# Altium PCB 2m_DBoard_RX.PcbDoc (part 2 of 3) (continued)
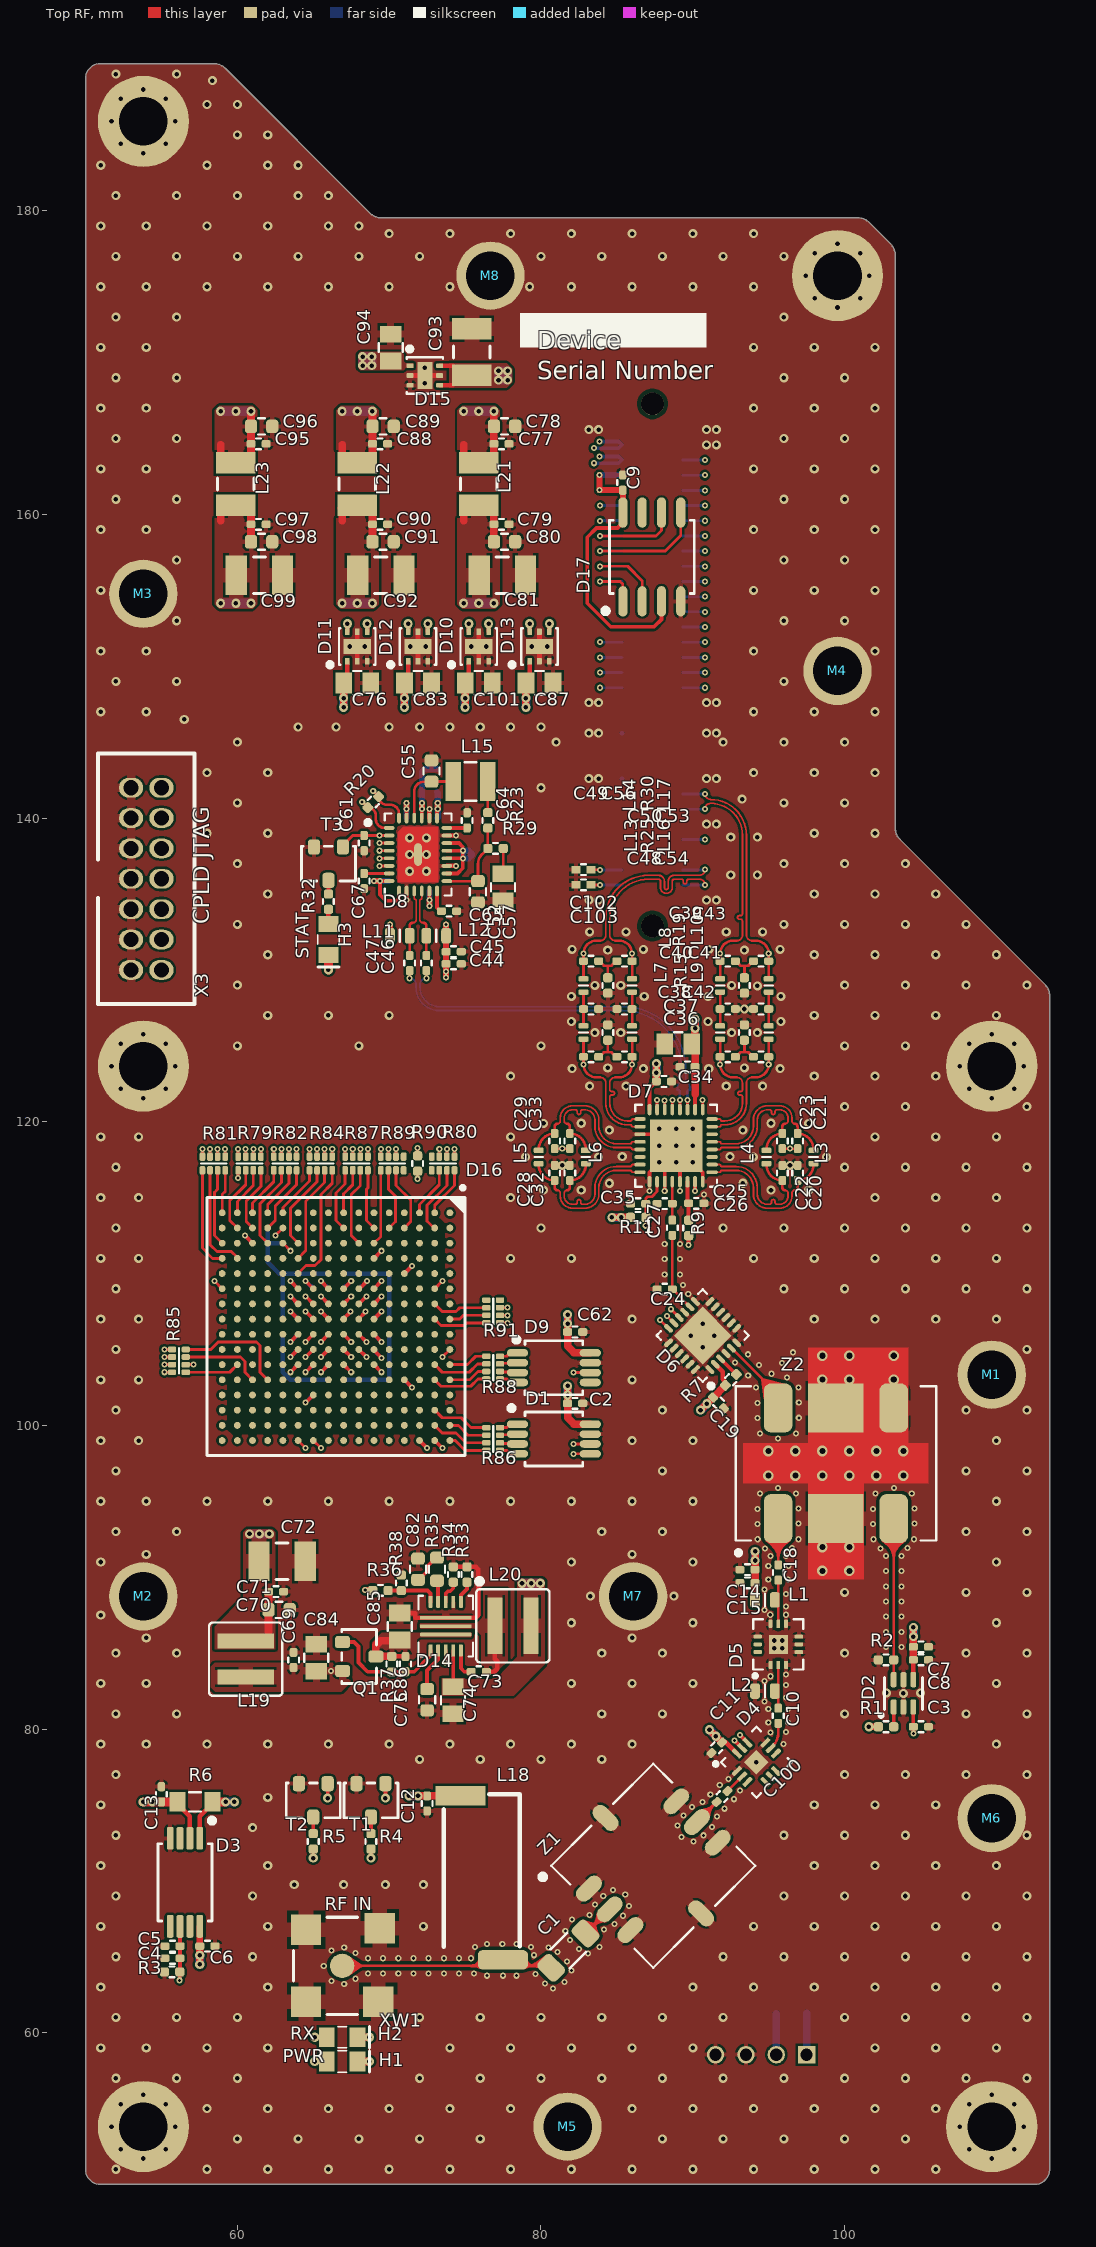
[diagram p0: Top RF view]
## Nets (pads, with @x,y where several pads share a name; then routed paths per layer and width w, separated by ;. In a path a pad name is that pad's centre, name@x,y a point inside that pad or via, vN(x,y) a via of type N, cw(c..) or ccw(c..) an arc to the next point about the centre after c; other vN are vias at no path point) (continued)
  Top RF w0.17: L4.1@94.85,117.24 94.85,117.175 ccw(c95.9,117.175) 95.743,116.137 C22.2@95.9,116.125 95.9,115.675 ccw(c96.1,115.675) 96.1,115.475
_mq_demod_p: C20.1 D7.9 L3.1 | length 10.3
  Top RF w0.115: D7.9@91.275,116.675 91.775,116.675 ccw(c91.775,116.735) 91.835,116.735 cw(c91.895,116.735) 91.895,116.795 92.84,116.795 cw(c92.84,115.645) 93.99,115.645 93.99,115.223 ccw(c94.908,115.223) 94.908,114.305 95.737,114.305 ccw(c95.737,115.098) 96.53,115.098 96.53,115.305 cw(c96.7,115.305) 96.7,115.475
  Top RF w0.17: 96.7,115.475 ccw(c96.7,115.675) 96.9,115.675 C20.1@96.9,116.125 97.058,116.137 ccw(c96.9,117.175) 97.95,117.175 L3.1@97.95,117.24
_TPS_DISDRV: C86.2 D14.9 Q1.1 R37.1 | length 8
  Top RF w0.25: Q1.1@66.925,85.725 67.675,85.725 67.975,85.425 67.975,84.375 68.583,83.767 R37.1@70.175,83.767 ; R37.1@70.183,83.775 71.65,83.775 72.725,84.85 D14.9@72.725,85.175
_TPS_FB: D14.5 R36.1 R38.2 | length 3.4
  Top RF w0.25: R36.1@69.933,89.125 70.8,89.125 R38.2@70.8,89.117 72.533,89.117 72.725,88.925 D14.5@72.725,88.375
_TPS_VOUT: C85.2 C86.1 D14.8 Q1.3 R37.2 | length 4.4
  Top RF w0.3: Q1.3@69.125,84.775 Q1.3@69.129,84.779 ; R37.2@70.171,84.779 R37.2@70.175,84.783 70.179,84.779 71.071,84.779 C86.1@71.075,84.775
  Top RF w0.5: Q1.3@69.125,84.775 69.125,85.5 69.45,85.825 70.664,85.825 C85.2@70.7,85.861 ; Q1.3@69.129,84.779 R37.2@70.171,84.779
ATT1_RX_C1: D4.11 D16.C16 | length 34
  Top RF w0.25: D16.C16@72,99 v2(72.5,98.5) ; v2(92.754,79.248) D4.11@93.254,78.748
  Signal 1 w0.15: v2@72.501,98.499 72.875,98.125 81.218,98.125 92.858,86.485 92.858,79.881 92.733,79.756 92.733,79.269 v2(92.754,79.248)
ATT1_RX_C2: D4.10 D16.B16 | length 32.9
  Top RF w0.25: D16.B16@73,99 v2(73.5,98.5) ; v2(93.108,79.601) D4.10@93.608,79.101
  Signal 1 w0.15: v2(73.5,98.5) 81.196,98.5 93.108,86.589 v2(93.108,79.601)
ATT2_MOSI_RX: D6.18 R91.5 | length 12.2
  Top RF w0.185: R91.5@77.3,106.75 v2(77.8,106.75) ; v2(87.85,106.95) 88.403,106.396 D6.18@88.403,106.394
  Signal 1 w0.12: v2(77.8,106.75) 78.25,106.75 79.4,107.9 86.9,107.9 v2(87.85,106.95)
ATT2_RX_LE: D6.16 R91.7 | length 12.7
  Top RF w0.185: R91.7@77.3,107.75 v2(77.8,107.75) ; v2(88.55,107.65) 88.555,107.65 89.104,107.101 D6.16@89.11,107.101
  Signal 1 w0.12: v2(77.8,107.75) 78.25,107.75 79,108.5 87.624,108.5 88.474,107.65 v2(88.55,107.65)
ATT2_SCLK_RX: D6.17 R91.6 | length 12.4
  Top RF w0.185: R91.6@77.3,107.25 v2(77.8,107.25) ; v2@88.302,107.2 D6.17@88.756,106.748 D6.17@88.756,106.748
  Signal 1 w0.12: v2(77.8,107.25) 78.25,107.25 79.18,108.18 87.32,108.18 88.262,107.238 v2(88.3,107.2)
cpld_io_00: R90.2 X1.100 | length 41.4
  Top RF w0.185: R90.2@71.875,117.758 v2(71.875,118.258)
  Signal 1 w0.12: v2(71.875,118.258) 71.875,118.584 80.75,127.459 80.75,134.25 83.7,137.2 85.8,137.2 90.2,141.6 90.2,147.984 v2(90.8,148.584)
  Bottom Layer w0.185: X1.100@89.338,148.584 v2(90.8,148.584)
cpld_io_01: R89.6 X1.98 | length 43.7
  Top RF w0.185: R89.6@70.45,117.7 v2(70.45,118.2)
  Signal 1 w0.12: v2(70.45,118.2) 70.474,118.224 70.474,118.692 70.951,119.169 72.078,119.169 80.48,127.571 80.48,134.38 83.6,137.5 85.7,137.5 89.9,141.7 89.9,148.684 v2(90.8,149.584)
  Bottom Layer w0.185: X1.98@89.338,149.584 v2(90.8,149.584)
cpld_io_02: R89.7 X1.96 | length 44.9
  Top RF w0.185: R89.7@69.95,117.7 v2(69.95,118.2)
  Signal 1 w0.12: v2(69.95,118.2) 69.95,118.55 70.839,119.439 71.966,119.439 80.21,127.682 80.21,134.51 83.5,137.8 85.6,137.8 89.6,141.8 89.6,149.384 v2(90.8,150.584)
  Bottom Layer w0.185: X1.96@89.338,150.584 v2(90.8,150.584)
cpld_io_03: R89.8 X1.94 | length 46.1
  Top RF w0.185: R89.8@69.45,117.7 v2(69.45,118.2)
  Signal 1 w0.12: v2(69.45,118.2) 69.474,118.224 69.474,118.474 70.709,119.709 71.855,119.709 79.94,127.794 79.94,134.64 83.4,138.1 85.5,138.1 89.3,141.9 89.3,150.084 v2(90.8,151.584)
  Bottom Layer w0.185: X1.94@89.338,151.584 v2(90.8,151.584)
cpld_io_04: R87.5 X1.92 | length 47.9
  Top RF w0.185: R87.5@68.6,117.7 v2(68.6,118.2)
  Signal 1 w0.12: v2(68.6,118.2) 68.6,118.8 69.779,119.979 71.743,119.979 79.67,127.906 79.67,134.77 83.3,138.4 85.4,138.4 89,142 89,150.784 v2(90.8,152.584)
  Bottom Layer w0.185: X1.92@89.338,152.584 v2(90.8,152.584)
cpld_io_05: R87.6 X1.90 | length 49.1
  Top RF w0.185: R87.6@68.1,117.7 v2(68.1,118.2)
  Signal 1 w0.12: v2(68.1,118.2) 68.1,118.7 69.649,120.249 71.631,120.249 79.4,128.018 79.4,134.9 83.2,138.7 85.3,138.7 88.7,142.1 88.7,151.484 v2(90.8,153.584)
  Bottom Layer w0.185: X1.90@89.338,153.584 v2(90.8,153.584)
cpld_io_06: R87.7 X1.88 | length 50.4
  Top RF w0.185: R87.7@67.6,117.7 v2(67.6,118.2)
  Signal 1 w0.12: v2(67.6,118.2) 67.654,118.254 67.654,118.654 69.519,120.519 71.519,120.519 79.13,128.13 79.13,135.03 83.1,139 85.2,139 88.4,142.2 88.4,152.184 v2(90.8,154.584)
  Bottom Layer w0.185: X1.88@89.338,154.584 v2(90.8,154.584)
cpld_io_07: R87.8 X1.86 | length 51.5
  Top RF w0.185: R87.8@67.1,117.7 v2(67.1,118.2)
  Signal 1 w0.12: v2(67.1,118.2) 67.1,118.5 69.389,120.789 71.407,120.789 78.86,128.242 78.86,135.16 83,139.3 85,139.3 88.1,142.4 88.1,152.884 v2(90.8,155.584)
  Bottom Layer w0.185: X1.86@89.338,155.584 v2(90.8,155.584)
cpld_io_08: R84.5 X1.84 | length 53.3
  Top RF w0.185: R84.5@66.25,117.7 v2(66.25,118.2)
  Signal 1 w0.12: v2(66.25,118.2) 66.261,118.211 66.261,118.861 68.459,121.059 71.295,121.059 78.59,128.353 78.59,135.29 82.9,139.6 84.9,139.6 87.8,142.5 87.8,153.584 v2(90.8,156.584)
  Bottom Layer w0.185: X1.84@89.338,156.584 v2(90.8,156.584)
cpld_io_09: R84.6 X1.82 | length 54.6
  Top RF w0.185: R84.6@65.75,117.7 v2(65.75,118.2)
  Signal 1 w0.12: v2(65.75,118.2) 65.786,118.236 65.786,118.786 68.329,121.329 71.184,121.329 78.32,128.465 78.32,135.42 82.8,139.9 84.8,139.9 87.5,142.6 87.5,154.284 v2(90.8,157.584)
  Bottom Layer w0.185: X1.82@89.338,157.584 v2(90.8,157.584)
cpld_io_10: R84.7 X1.80 | length 55.8
  Top RF w0.185: R84.7@65.25,117.7 v2(65.25,118.2)
  Signal 1 w0.12: v2(65.25,118.2) 65.304,118.254 65.304,118.704 68.199,121.599 71.072,121.599 78.05,128.577 78.05,135.55 82.7,140.2 84.7,140.2 87.2,142.7 87.2,154.984 v2(90.8,158.584)
  Bottom Layer w0.185: X1.80@89.338,158.584 v2(90.8,158.584)
cpld_io_11: R84.8 X1.78 | length 57
  Top RF w0.185: R84.8@64.75,117.7 v2(64.75,118.2)
  Signal 1 w0.12: v2(64.75,118.2) 64.774,118.224 64.774,118.574 68.069,121.869 70.96,121.869 77.78,128.689 77.78,135.68 82.6,140.5 84.6,140.5 86.9,142.8 86.9,155.684 v2(90.8,159.584)
  Bottom Layer w0.185: X1.78@89.338,159.584 v2(90.8,159.584)
cpld_io_12: R82.5 X1.76 | length 58.8
  Top RF w0.185: R82.5@63.9,117.7 v2(63.9,118.2)
  Signal 1 w0.12: v2(63.9,118.2) 63.9,118.9 67.139,122.139 70.848,122.139 77.51,128.801 77.51,135.81 82.5,140.8 84.5,140.8 86.6,142.9 86.6,156.384 v2(90.8,160.584)
  Bottom Layer w0.185: X1.76@89.338,160.584 v2(90.8,160.584)
cpld_io_13: R82.6 X1.74 | length 60.1
  Top RF w0.185: R82.6@63.4,117.7 v2(63.4,118.2)
  Signal 1 w0.12: v2(63.4,118.2) 63.4,118.8 67.009,122.409 70.736,122.409 77.24,128.913 77.24,135.94 82.4,141.1 84.4,141.1 86.3,143 86.3,157.084 v2(90.8,161.584)
  Bottom Layer w0.185: X1.74@89.338,161.584 v2(90.8,161.584)
cpld_io_14: R82.7 X1.72 | length 61.2
  Top RF w0.185: R82.7@62.9,117.7 v2(62.9,118.2)
  Signal 1 w0.12: v2(62.9,118.2) 62.9,118.7 66.879,122.679 70.624,122.679 76.97,129.024 76.97,136.07 82.3,141.4 84.2,141.4 86,143.2 86,157.784 v2(90.8,162.584)
  Bottom Layer w0.185: X1.72@89.338,162.584 v2(90.8,162.584)
cpld_io_15: R82.8 X1.70 | length 62.4
  Top RF w0.185: R82.8@62.4,117.7 v2(62.4,118.2)
  Signal 1 w0.12: v2(62.4,118.2) 62.4,118.6 66.749,122.949 70.513,122.949 76.7,129.136 76.7,136.182 82.188,141.67 84.088,141.67 85.73,143.312 85.73,158.514 v2(90.8,163.584)
  Bottom Layer w0.185: X1.70@89.338,163.584 v2(90.8,163.584)
CS_LTC6948: D8.3 R81.8 | length 26.7
  Top RF w0.185: R81.8@57.7,117.7 v2(57.7,118.2) ; v2(69.35,138.35) D8.3@70,138.35
  Signal 1 w0.12: v2(57.7,118.2) 57.7,118.918 64.17,125.388 64.17,134.07 68.45,138.35 v2(69.35,138.35)
DEMOD_TEMP: C35.1 C103.2 D7.2 D9.6 R11.2 X1.125 | length 52.9
  Top RF w0.185: v2(82.15,103.475) D9.6@83.25,103.475 ; C103.2@83.308,135.592 v2@83.868,135.592 ; v2(86.9,113.15) 86.9,113.692 R11.2@86.908,113.7 86.9,113.708 C35.1@86.9,114.6 86.9,114.95 87.007,115.058 87.313,115.058 87.65,115.395 D7.2@87.65,116.05
  Top RF w0.2: C103.2@83.3,135.6 C103.2@83.308,135.592 ; v2@83.868,135.592 v2(83.876,135.584)
  Signal 1 w0.12: v2@83.848,135.556 v2(83.876,135.584)
  Signal 1 w0.15: v2(82.15,103.475) 85.251,103.475 89,107.224 89,107.9 86.9,110 v2(86.9,113.15) 87.875,114.125 90.45,114.125 91.2,114.875 91.2,121.547 88.65,124.097 88.65,134.85 87.9,135.6 v2@83.892,135.6
  Signal 1 w0.185: v2(83.876,135.584) v2@83.892,135.6
  Bottom Layer w0.185: v2(83.876,135.584) X1.125@85.338,135.584
DEMOD_VCM: R9.1 X1.120 | length 31.1
  Top RF w0.25: v2(89.725,111.892) R9.1@89.725,112.492
  Signal 1 w0.12: v2(89.725,111.892) 91.825,113.992 91.825,121.88 89.59,124.115 89.59,137.374 v2(90.8,138.584)
  Bottom Layer w0.185: X1.120@89.338,138.584 v2(90.8,138.584)
GND: C2.2 C3.1 C4.1 C5.1 C6.1 C7.1 C8.1 C9.1 C11.1 C12.2 C13.2 C14.1 C15.1 C16.1 C17.1 C19.1 C20.2 C22.1 C24.2 C25.2 C26.2 C28.2 C30.2 C31.2 C32.1 C34.2 C35.2 C36.2 C37.1 C40.2 C41.1 C44.1 C45.1 C50.2 C51.1 C52.1 C53.1 C55.1 C57.1 C58.1 C59.1 C60.1 C61.2 C62.2 C63.2 C64.1 C65.2 C66.1 C67.1 C68.1 C69.1 C70.1 C71.1 C72.1 C74.2 C75.2 C76.2 C77.1 C78.1 C79.1 C80.1 C81.1 C82.1 C83.2 C84.1 C85.1 C87.2 C88.1 C89.1 C90.1 C91.1 C92.1 C93.1 C94.2 C95.1 C96.1 C97.1 C98.1 C99.1 C101.2 C102.1 C103.1 C200.1 C201.1 C202.1 C203.1 C204.1 C205.1 C206.1 C207.1 C208.1 C209.1 C210.1 C211.1 C212.1 C213.1 C214.1 C215.2 C216.2 C217.2 C218.2 C219.2 D1.7 D2.2 D2.5 D3.4 D4.1 D4.9 D4.13 D5.1 D5.3 D5.4 D5.5 D5.6 D5.7 D5.9 D5.10 D5.13 D6.1 D6.4 D6.6 D6.7 D6.8 D6.9 D6.10 D6.11 D6.12 D6.13 D6.15 D6.19 D6.20 D6.21 D6.22 D6.23 D6.24 D6.25 D7.1 D7.3 D7.5 D7.8 D7.27 D7.33 D8.10 D8.17 D8.21 D8.24 D8.29 D9.7 D10.0 D10.2 D10.3 D10.5 D11.0 D11.2 D11.3 D11.5 D12.0 D12.2 D12.3 D12.5 D13.0 D13.2 D13.3 D13.5 D14.2 D14.6 D15.0 D15.2 D15.3 D15.5 D16.F6 D16.F11 D16.G7 D16.G8 D16.G9 D16.G10 D16.H7 D16.H8 D16.H9 D16.H10 D16.J7 D16.J8 D16.J9 D16.J10 D16.K7 D16.K8 D16.K9 D16.K10 D16.L6 D16.L11 D17.4 L2.1 M1.0 M2.0 M3.0 M4.0 M5.0 M6.0 M7.0 M8.0 R2.2 R3.1 R8.2 R10.2 R14.1 R15.2 R17.2 R19.2 R24.1 R25.2 R27.2 R30.2 R33.1 R34.1 R38.1 T1.2 T2.2 T3.2 X1.0@53.81,53.81 X1.0@53.81,123.66 X1.0@53.81,185.89 X1.0@99.53,175.73 X1.0@109.69,53.81 X1.0@109.69,123.66 X1.65 X1.66 X1.68 X1.101 X1.102 X1.105 X1.106 X1.111 X1.112 X1.118 X1.122 X1.127 X1.128 X2.3 X2.4 X3.1 X3.3 X3.5 X3.7 X3.9 X3.11 X3.13 XW1.G Z1.GND Z2.GND | length 77.7
  Top RF w0.25: v2(63.5,103.5) D16.L11@64,104 ; v2(63.5,109.5) D16.L6@64,109 ; v2(64.5,104.5) D16.K10@65,105 ; v2(64.5,105.5) D16.K9@65,106 ; v2(64.5,107.5) D16.K8@65,107 ; v2(64.5,108.5) D16.K7@65,108 ; v2(65.5,104.5) D16.J10@66,105 ; v2(65.5,105.5) D16.J9@66,106 ; v2(65.5,107.5) D16.J8@66,107 ; v2(65.5,108.5) D16.J7@66,108 ; D16.H10@67,105 v2(67.5,104.5) ; D16.H9@67,106 v2(67.5,105.5) ; D16.H8@67,107 67,107.025 67.45,107.475 v2(67.45,107.5) ; D16.H7@67,108 v2(67.5,108.5) ; D16.G10@68,105 v2(68.5,104.5) ; D16.G9@68,106 v2(68.5,105.5) ; D16.G8@68,107 68,107.025 68.45,107.475 v2(68.45,107.5) ; D16.G7@68,108 v2(68.5,108.5) ; D16.F11@69,104 v2(69.5,103.5) ; D16.F6@69,109 v2(69.5,109.5)
  Top RF w0.254: v2(71.15,134.6) D8.10@71.15,135.2 ; D8.21@73.8,138.85 v2(74.4,138.85) ; D7.27@86.525,119.175 88.15,119.175 v1(88.9,118.425) ; D7.1@87.15,116.05 87.15,116.675 v1(87.8,117.325) D7.33@88.15,117.675 ; v2(88.15,115.45) D7.3@88.15,116.05 D7.33@88.15,117.675 ; D7.5@89.15,116.05 D7.33@89.15,118.175 ; D7.8@90.65,116.05 90.65,116.675 D7.33@89.15,118.175 ; D7.33@88.15,117.675 v1(88.9,118.425) ; v1(88.9,118.425) D7.33@89.15,118.175
  Top RF w0.3: D11.2@67.9,150.325 D11.0@67.9,151.3 D11.5@67.9,152.275 ; C85.1@70.7,87.639 ccw(c70.734,87.673) 70.734,87.625 71.725,87.625 71.725,87.325 75.699,87.325 75.875,87.501 75.875,90.507 75.699,90.683 R34.1@74.225,90.683 ; D15.2@71.375,169.15 D15.0@72.35,169.15 D15.5@73.325,169.15 ; D12.2@71.9,150.325 D12.0@71.9,151.3 D12.5@71.9,152.275 ; D8.24@72.65,140 v2(72.65,140.6) ; D8.17@73.8,136.85 v2(74.4,136.85) ; D10.2@75.9,150.325 D10.0@75.9,151.3 D10.5@75.9,152.275 ; D13.2@79.9,150.325 D13.0@79.9,151.3 D13.5@79.9,152.275
  Bottom Layer w0.3: 62,112.775 C216.2@62,112 ; 62.772,112 C216.2@62,112 ; C207.1@63,106 C206.1@63,105 63,103.495 63.495,103 C205.1@65,103 C204.1@66,103 ; C203.1@63,107 C202.1@63,108 63,109.872 63.128,110 ; C200.1@66,110 C201.1@65,110 63.128,110 ; C214.1@67,103 C218.2@70,103 C212.1@70,105 C213.1@70,106 ; C211.1@67,110 C210.1@68,110 C219.2@70,110 C208.1@70,108 C209.1@70,107 ; v1@83.9,142.6 v1@83.908,142.592 ; v1@83.9,145.6 v1@83.908,145.592 ; X1.111@85.33,142.592 X1.111@85.338,142.584 ; X1.105@85.33,145.592 X1.105@85.338,145.584 ; C216.2@62,112 62,110.742 62.743,110 63.128,110
  other v1: 52,51 58,51 62,51 66,51 70,51 74,51 78,51 82,51 86,51 90,51 94,51 98,51 102,51 106,51 53.81,51.71 109.69,51.71 52.325,52.325 55.295,52.325 108.205,52.325 111.175,52.325 60,53 64,53 68,53 72,53 76,53 88,53 92,53 96,53 100,53 104,53 51.71,53.81 55.91,53.81 107.59,53.81 111.79,53.81 58,55 62,55 66,55 70,55 74,55 78,55 86,55 90,55 94,55 98,55 102,55 106,55 52.325,55.295 55.295,55.295 108.205,55.295 111.175,55.295 53.81,55.91 109.69,55.91 52,57 56,57 60,57 72,57 76,57 80,57 84,57 88,57 92,57 96,57 100,57 104,57 108,57 112,57 51,59 54,59 58,59 62,59 74,59 78,59 82,59 86,59 90,59 102,59 106,59 110,59 52,61 56,61 60,61 72,61 76,61 80,61 84,61 88,61 92,61 100,61 104,61 108,61 112,61 51,63 62,63 90,63 94,63 98,63 102,63 106,63 110,63 52,65 61,65 92,65 96,65 100,65 104,65 108,65 112,65 51,67 62,67 72.25,67 94,67 98,67 102,67 106,67 110,67 52,69 61,69 96,69 100,69 104,69 108,69 112,69 63.75,69.75 67,69.75 69.75,69.75 72.25,69.75 51,71 62,71 98,71 102,71 106,71 110,71 52,73 96,73 100,73 104,73 112,73 61,73.5 51,75 98,75 102,75 106,75 62,75.5 52,77 100,77 104,77 108,77 112,77 94.191,77.811 72,78 76,78 80,78 84,78 51,79 54,79 58,79 62,79 66,79 70,79 74,79 78,79 82,79 86,79 110,79 52,81 56,81 84,81 88,81 100,81 108,81 112,81 103.875,82.35 102.75,82.375 105,82.375 51,83 54,83 82,83 86,83 90,83 110,83 52,85 56,85 84,85 88,85 100,85 108,85 112,85 95.376,85.321 95.884,85.321 95.376,85.829 95.884,85.829 54,86 86,86 82,87 90,87 110,87 51,87.5 83.25,88.75 88.75,88.75 100,89 108,89 112,89 51,91 82,91 90,91 110,91 54,91.5 86,91.5 52,93 56,93 84,93 88,93 108,93 112,93 51,95 54,95 58,95 62,95 66,95 70,95 74,95 78,95 82,95 86,95 90,95 110,95 52,97 88,97 108,97 112,97 51,99 53.5,99 86,99 90,99 110,99 52,101 88,101 108,101 112,101 51,103 53.5,103 86,103 52,105 112,105 90.648,105.139 89.87,105.917 91.425,105.917 90.648,106.695 51,107 53.5,107 86,107 98,107 102,107 106,107 110,107 52,109 96,109 100,109 104,109 108,109 112,109 51,111 53.5,111 78,111 82,111 94,111 98,111 102,111 106,111 110,111 52,113 80,113 92,113 96,113 100,113 104,113 108,113 112,113 51,115 53.5,115 78,115 102,115 106,115 110,115 80.164,115.492 82.65,115.5 95.15,115.5 97.636,115.492 84.5,115.95 93.3,115.95 52,117 100,117 104,117 108,117 112,117 81.4,117.125 96.4,117.125 88.9,117.325 90,117.325 78.991,117.683 83.8,117.675 93.991,117.683 98.8,117.675 85.35,117.7 92.45,117.7 87.8,118.425 90,118.425 51,119 53.5,119 78,119 102,119 106,119 110,119 84.5,119.45 93.3,119.45 87.8,119.525 88.9,119.525 90,119.525 80.164,119.892 82.65,119.9 95.15,119.9 97.636,119.892 100,121 104,121 112,121 53.81,121.56 109.69,121.56 52.325,122.175 55.295,122.175 108.205,122.175 111.175,122.175 83.2,122.35 85.6,122.35 92.2,122.35 94.6,122.35 78,123 98,123 102,123 106,123 82.05,123.5 86.75,123.5 91.05,123.5 95.75,123.5 84.4,123.55 93.4,123.55 51.71,123.66 55.91,123.66 107.59,123.66 111.79,123.66 60,125 68,125 80,125 100,125 104,125 52.325,125.145 55.295,125.145 108.205,125.145 111.175,125.145 53.81,125.76 109.69,125.76 83.55,125.875 85.25,125.875 92.55,125.875 94.25,125.875 82,126.6 91,126.6 95.8,126.6 62,127 66,127 70,127 98,127 102,127 106,127 110,127 93.4,127.425 82,128.25 86.8,128.25 91,128.25 95.8,128.25 94.25,128.95 83.55,128.975 85.25,128.975 92.55,128.975 60,129 100,129 104,129 108,129 112,129 62,131 98,131 102,131 106,131 110,131 84.4,131.3 93.4,131.3 82.05,131.35 86.75,131.35 91.05,131.35 95.75,131.35 83.2,132.5 85.6,132.5 92.2,132.5 94.6,132.5 60,133 96,133 100,133 104,133 108,133 83.15,134.6 83.8,134.6 90.9,134.6 91.55,134.6 62,135 98,135 102,135 106,135 92.5,136.25 94.25,136.25 71.35,136.5 72.45,136.5 60,137 96,137 100,137 104,137 71.35,137.6 72.45,137.6 71.35,138.7 72.45,138.7 92.5,138.75 94.25,138.75 58,139 62,139 98,139 102,139 90.9,139.6 91.55,139.6 60,141 96,141 100,141 93.25,141.25 80,142 83.15,142.6 83.8,142.6 90.9,142.6 91.55,142.6 58,143 62,143 94,143 98,143 102,143 60,145 81,145 92,145 96,145 100,145 83.15,145.6 83.8,145.6 90.9,145.6 91.55,145.6 64,146 66.5,146 70,146 72,146 74,146 76,146 78,146 80,146 56.5,146.5 51,147 54,147 94,147 98,147 102,147 83.15,147.6 83.8,147.6 90.9,147.6 91.55,147.6 52,149 56,149 96,149 51,151 54,151 94,151 102,151 67.4,151.3 68.4,151.3 71.4,151.3 72.4,151.3 75.4,151.3 76.4,151.3 79.4,151.3 80.4,151.3 56,153 96,153 100,153 51,155 94,155 98,155 102,155 56,157 96,157 100,157 51,159 54,159 94,159 98,159 102,159 52,161 56,161 96,161 100,161 51,163 54,163 94,163 98,163 102,163 90.9,164.584 91.55,164.584 52,165 56,165 96,165 100,165 83.15,165.584 83.8,165.584 90.9,165.584 91.55,165.584 51,167 54,167 94,167 98,167 102,167 72.35,168.65 52,169 56,169 96,169 100,169 72.35,169.65 51,171 54,171 94,171 98,171 102,171 52,173 56,173 96,173 99.53,173.63 98.045,174.245 101.015,174.245 51,175 54,175 58,175 62,175 66,175 70,175 74,175 79.25,175 82,175 86,175 90,175 94,175 97.43,175.73 101.63,175.73 52,177 56,177 60,177 64,177 68,177 72,177 80,177 84,177 88,177 92,177 96,177 98.045,177.215 101.015,177.215 99.53,177.83 70,178.5 74,178.5 78,178.5 82,178.5 86,178.5 90,178.5 94,178.5 51,179 54,179 58,179 62,179 66,179 68,179 52,181 56,181 60,181 64,181 66,181 51,183 58,183 62,183 64,183 53.81,183.79 52.325,184.405 55.295,184.405 60,185 62,185 51.71,185.89 55.91,185.89 58,187 60,187 52.325,187.375 55.295,187.375 53.81,187.99 58.356,188.58 52,189 56,189
  other v2: 80.8,62.9 67.04,63.2 80.25,63.25 81.55,63.35 66.19,63.4 67.79,63.55 76.45,63.75 77.5,63.75 78.4,63.75 79.65,63.85 68.6,63.9 69.6,63.9 70.6,63.9 71.6,63.9 72.6,63.9 73.6,63.9 74.6,63.9 75.6,63.9 82,64.1 65.69,64.4 81.7,64.7 68.6,64.9 69.6,64.9 70.6,64.9 71.6,64.9 72.6,64.9 73.6,64.9 74.6,64.9 75.4,64.9 79.55,65.1 83.1,65.2 67.79,65.25 81.1,65.3 66.19,65.4 82.5,65.5 67.04,65.6 80.5,65.6 75.65,65.65 79.35,65.65 83.85,65.65 76.45,65.85 77.45,65.85 78.4,65.85 81.9,66.1 81.6,66.7 84.15,66.8 84.85,67.15 82.05,67.45 85.4,67.7 83.2,67.75 85.8,68.35 83.55,68.45 84.1,69 85.55,69.1 84.75,69.4 90.05,72.6 89.25,72.9 90.7,73 91.25,73.55 89,73.65 91.6,74.25 89.4,74.3 92.1,74.75 89.95,74.85 90.65,75.2 92.725,75.375 91.15,75.7 93.1,75.95 91.775,76.325 92.35,76.7 95.975,79 95.125,79.775 96.125,79.8 94.971,80.428 96.279,80.428 94.971,81.312 96.279,81.312 94.725,81.825 96.125,82.075 96.125,82.9 94.725,83.175 95.125,83.475 96.125,83.6 102.725,85.4 103.745,85.4 102.725,86.4 103.745,86.4 102.725,87.4 103.745,87.4 95.1,87.525 96.15,87.525 94.725,87.825 96.125,88.075 102.725,88.4 103.745,88.4 96.125,88.9 94.725,89.175 102.725,89.4 103.745,89.4 94.971,89.856 96.279,89.856 102.725,90.4 103.745,90.4 94.971,90.74 96.3,90.75 95.125,91.4 96.125,91.4 102.725,91.4 103.75,91.4 94.75,91.9 102.37,91.9 96.525,91.925 104.145,91.925 94.275,92.5 96.95,92.5 101.895,92.5 104.57,92.5 94.25,93.5 101.87,93.5 96.975,93.525 104.595,93.525 94.25,94.5 101.87,94.5 96.975,94.525 104.595,94.525 94.425,95.525 96.8,95.525 102.045,95.525 104.42,95.525 95.625,95.875 103.245,95.875 95.605,99.125 94.43,99.475 96.805,99.475 94.255,100.475 96.98,100.5 94.255,101.475 96.98,101.5 94.15,102.5 96.955,102.5 96.2,103.15 93.65,103.275 95.175,103.4 94.35,103.975 95.882,104.107 92.775,104.15 93.643,104.682 96.589,104.814 89.7,108.65 89.35,109.25 88.15,109.95 89.15,109.95 88.15,110.95 89.15,110.95 88.15,111.95 89.15,111.95 90.725,115.2 87.15,115.45 89.15,115.45
  other v3: 98.536,90.413 100.314,90.413 98.536,91.988 100.314,91.988 94.98,96.687 96.758,96.687 98.536,96.687 100.314,96.687 102.092,96.687 103.87,96.687 94.98,98.313 96.758,98.313 98.536,98.313 100.314,98.313 102.092,98.313 103.87,98.313 98.536,103.012 100.314,103.012 103.235,103.012 98.536,104.587 100.314,104.587 103.235,104.587
I2C_A0_RX: D17.1 X1.85 | length 4.2
  Top RF w0.185: v2(83.876,155.584) 85.216,155.584 85.385,155.415 85.385,154.289 D17.1@85.395,154.279
  Bottom Layer w0.185: v2(83.876,155.584) X1.85@85.338,155.584
I2C_A1_RX: D17.2 X1.83 | length 6
  Top RF w0.185: v2(83.876,156.584) 85.716,156.584 86.665,155.635 D17.2@86.665,154.279
  Bottom Layer w0.185: v2(83.876,156.584) X1.83@85.338,156.584
IFreq: C100.1 Z1.OUT | length 1.9
  Top RF w0.17: Z1.OUT@90.274,73.874 cw(c90.335,73.874) 90.292,73.917 C100.1@91.575,75.2
IFreq_Ampd_RX: C24.1 C27.2 D6.14 | length 5.2
  Top RF w0.17: C27.2@88.65,112.518 C24.1@88.65,108.975 D6.14@89.817,107.808
JTAG_TCK: R85.6 X3.6 | length 37.5
  Top RF w0.185: v2(55.2,104.5) R85.6@55.7,104.5
  Signal 1 w0.12: X3.6@55,138 56,138 58.1,135.9 58.1,121.5 54.79,118.19 54.79,104.83 55.03,104.59 55.034,104.59 55.124,104.5 v2(55.2,104.5)
JTAG_TDI: R85.8 X3.10 | length 34.4
  Top RF w0.185: v2(55.2,103.5) R85.8@55.7,103.5
  Signal 1 w0.12: 54.79,103.83 55.03,103.59 55.034,103.59 55.124,103.5 v2(55.2,103.5) ; 54.79,103.831 54.215,104.406 54.215,118.415 57.5,121.7 57.5,132.5 56,134 X3.10@55,134
JTAG_TDO: R85.7 X3.8 | length 36
  Top RF w0.185: v2(55.2,104) R85.7@55.7,104
  Signal 1 w0.12: X3.8@55,136 56,136 57.8,134.2 57.8,121.6 54.485,118.285 54.485,104.635 55.03,104.09 55.034,104.09 55.124,104 v2(55.2,104)
JTAG_TMS: R85.5 X3.4 | length 38.9
  Top RF w0.185: v2(55.2,105) R85.5@55.7,105
  Signal 1 w0.12: X3.4@55,140 56,140 58.4,137.6 58.4,121.4 55.06,118.06 55.06,105.21 55.2,105.07 v2(55.2,105)
LED_RX: D16.L16 T2.1 | length 25.3
  Top RF w0.185: D16.L16@64,99 v2(64.5,98.5)
  Top RF w0.25: v1(65.95,75.45) T2.1@65.95,76.4
  Signal 1 w0.15: v2(64.5,98.5) 64.5,78.8 65.95,77.35 v1(65.95,75.45)
LO1_RX_n: C30.1 C47.2 D7.20 | length 24.7
  Top RF w0.17: v2(71.35,129.45) C47.2@71.35,129.95
  Top RF w0.185: D7.20@89.15,120.8 v2(89.15,121.425)
  Bottom Layer w0.115: v2(71.35,129.45) cw(c71.35,129.03) 71.77,129.03 71.77,128.85 ccw(c73.3,128.85) 73.3,127.32 85.393,127.32 cw(c85.393,123.443) 89.27,123.443 89.27,122.837 cw(c89.035,122.837) 89.201,122.671 ccw(c89.748,122.125) C30.1@88.975,122.125
  Bottom Layer w0.17: C30.1@88.975,122.125 cw(c88.975,121.95) 89.15,121.95 v2(89.15,121.425)
LO1_RX_p: C31.1 C46.2 D7.19 | length 24.7
  Top RF w0.17: v2(72.45,129.45) C46.2@72.45,129.95
  Top RF w0.185: D7.19@89.65,120.8 v2(89.65,121.425)
  Bottom Layer w0.115: v2(72.45,129.45) ccw(c72.45,129.03) 72.03,129.03 72.03,128.85 ccw(c73.3,128.85) 73.3,127.58 85.393,127.58 cw(c85.393,123.443) 89.53,123.443 89.53,122.837 ccw(c89.765,122.837) 89.599,122.671 cw(c89.052,122.125) C31.1@89.825,122.125
  Bottom Layer w0.17: v2(89.65,121.425) 89.65,121.95 cw(c89.825,121.95) C31.1@89.825,122.125
MISO_LTC5594: D7.21 R80.5 | length 17.4
  Top RF w0.185: R80.5@74.3,117.7 v2(74.3,118.2) ; D7.21@88.65,120.8 v2(88.65,121.425)
  Signal 1 w0.12: v2(74.3,118.2) 74.3,118.983 76.047,120.73 88.237,120.73 88.643,121.135 88.643,121.418 v2(88.65,121.425)
MISO_LTC6948: D8.6 R81.5 | length 24.7
  Top RF w0.185: R81.5@59.2,117.7 v2(59.2,118.2) ; v2(69.35,136.85) D8.6@70,136.85
  Signal 1 w0.12: v2(59.2,118.2) 59.2,119.273 64.98,125.053 64.98,133.698 68.132,136.85 v2(69.35,136.85)
MISO_RX: R79.7 X1.95 | length 46.9
  Top RF w0.185: R79.7@60.55,117.7 v2(60.55,118.2)
  Signal 1 w0.12: v2(60.55,118.2) 60.55,118.65 65.694,123.794 70.194,123.794 75.89,129.49 75.89,136.59 81.843,142.543 81.843,149.007 83.419,150.584 v2(83.876,150.584)
  Bottom Layer w0.185: v2(83.876,150.584) X1.95@85.338,150.584
MOSI_LTC5594: D7.22 R80.6 | length 17.2
  Top RF w0.185: R80.6@73.8,117.7 v2(73.8,118.2) ; v2(88.145,121.41) 88.15,121.41 D7.22@88.15,120.8
  Signal 1 w0.12: v2(73.8,118.2) 73.8,118.848 74.03,119.078 74.03,119.094 75.936,121 87.787,121 88.145,121.358 v2(88.145,121.41)
MOSI_LTC6948: D8.5 R81.6 | length 25.4
  Top RF w0.185: R81.6@58.7,117.7 v2(58.7,118.2) ; v2(69.35,137.35) D8.5@70,137.35
  Signal 1 w0.12: v2(58.7,118.2) 58.7,119.154 64.71,125.164 64.71,133.81 68.25,137.35 v2(69.35,137.35)
MOSI_RX: R79.6 X1.97 | length 45.7
  Top RF w0.185: R79.6@61.05,117.7 v2(61.05,118.2)
  Signal 1 w0.12: v2(61.05,118.2) 61.05,118.75 65.789,123.489 70.289,123.489 76.16,129.36 76.16,136.46 82.113,142.413 82.113,148.295 83.401,149.584 v2(83.876,149.584)
  Bottom Layer w0.185: v2(83.876,149.584) X1.97@85.338,149.584
NetC1_2: C1.2 Z1.IN | length 2.3
  Top RF w0.17: C1.2@82.931,66.531 Z1.IN@84.526,68.126
NetC10_1: C10.1 D4.8 | length 1.8
  Top RF w0.17: D4.8@95.128,78.748 95.303,78.922 ccw(c94.525,79.7) 95.625,79.7 C10.1@95.625,80.375
NetC18_1: C18.1 D5.8 L1.1 | length 2.9
  Top RF w0.17: C18.1@95.625,89.803 95.625,88.55 95.63,88.545 D5.8@95.63,86.93
NetC18_2: C18.2 Z2.IN | length 3.2
  Top RF w0.17: C18.2@95.63,90.808 Z2.IN@95.63,94.014
NetC21_2: C21.2 C23.1 R8.1 | length 1.5
  Top RF w0.185: C23.1@95.9,118.225 v2(96.4,118.225) C21.2@96.9,118.225
  Bottom Layer w0.185: v2(96.4,118.225) 96.858,118.225 cw(c96.858,118.183) R8.1@96.9,118.183
NetC25_1: C25.1 C27.1 D7.4 | length 2.5
  Top RF w0.17: C27.1@88.65,113.518 88.65,114.6 D7.4@88.65,116.05
NetC26_1: C26.1 D7.6 R9.2 | length 2.6
  Top RF w0.25: D7.6@89.65,116.05 89.65,114.7 C26.1@89.725,114.625 R9.2@89.725,113.508
NetC29_2: C29.2 C33.1 R10.1 | length 1.5
  Top RF w0.17: C29.2@80.9,118.225 v2(81.4,118.225) C33.1@81.9,118.225
  Bottom Layer w0.17: R10.1@80.942,118.225 v2(81.4,118.225)
  Bottom Layer w0.185: R10.1@80.9,118.183 cw(c80.942,118.183) R10.1@80.942,118.225
NetC38_2: C38.2 C42.1 R15.1 | length 2.2
  Top RF w0.185: C38.2@92.8,124.275 92.85,124.275 93.15,124.575 93.4,124.575 ; R15.1@93.4,125.367 93.4,124.575 ; C42.1@94,124.275 93.95,124.275 93.65,124.575 93.4,124.575
NetC39_2: C39.2 C43.1 R19.1 | length 2.2
  Top RF w0.185: C39.2@92.8,130.575 92.85,130.575 93.15,130.275 93.4,130.275 ; R19.1@93.4,129.483 93.4,130.275 ; C43.1@94,130.575 93.95,130.575 93.65,130.275 93.4,130.275
NetC40_1: C40.1 L7.2 L8.1 | length 2.2
  Top RF w0.17: L7.2@91.8,126.31 C40.1@91.8,127.425 L8.1@91.8,128.54